# Altium PCB LimeSDR-Micro_mPCIe_1v3.PcbDoc (part 7 of 9)
Units mm, origin at the board's own origin, x right, y up, seen from the top; angles counter-clockwise.
Board outline 50.8 x 29.7 mm, 8 copper layers (Top, L2, L3, L4, L5, L6, L7, Bottom), stack 0.925 mm thick; 666 components, 390 nets, 2363 pads, 827 vias.
Unrouted connection lines stored in the file: 28.
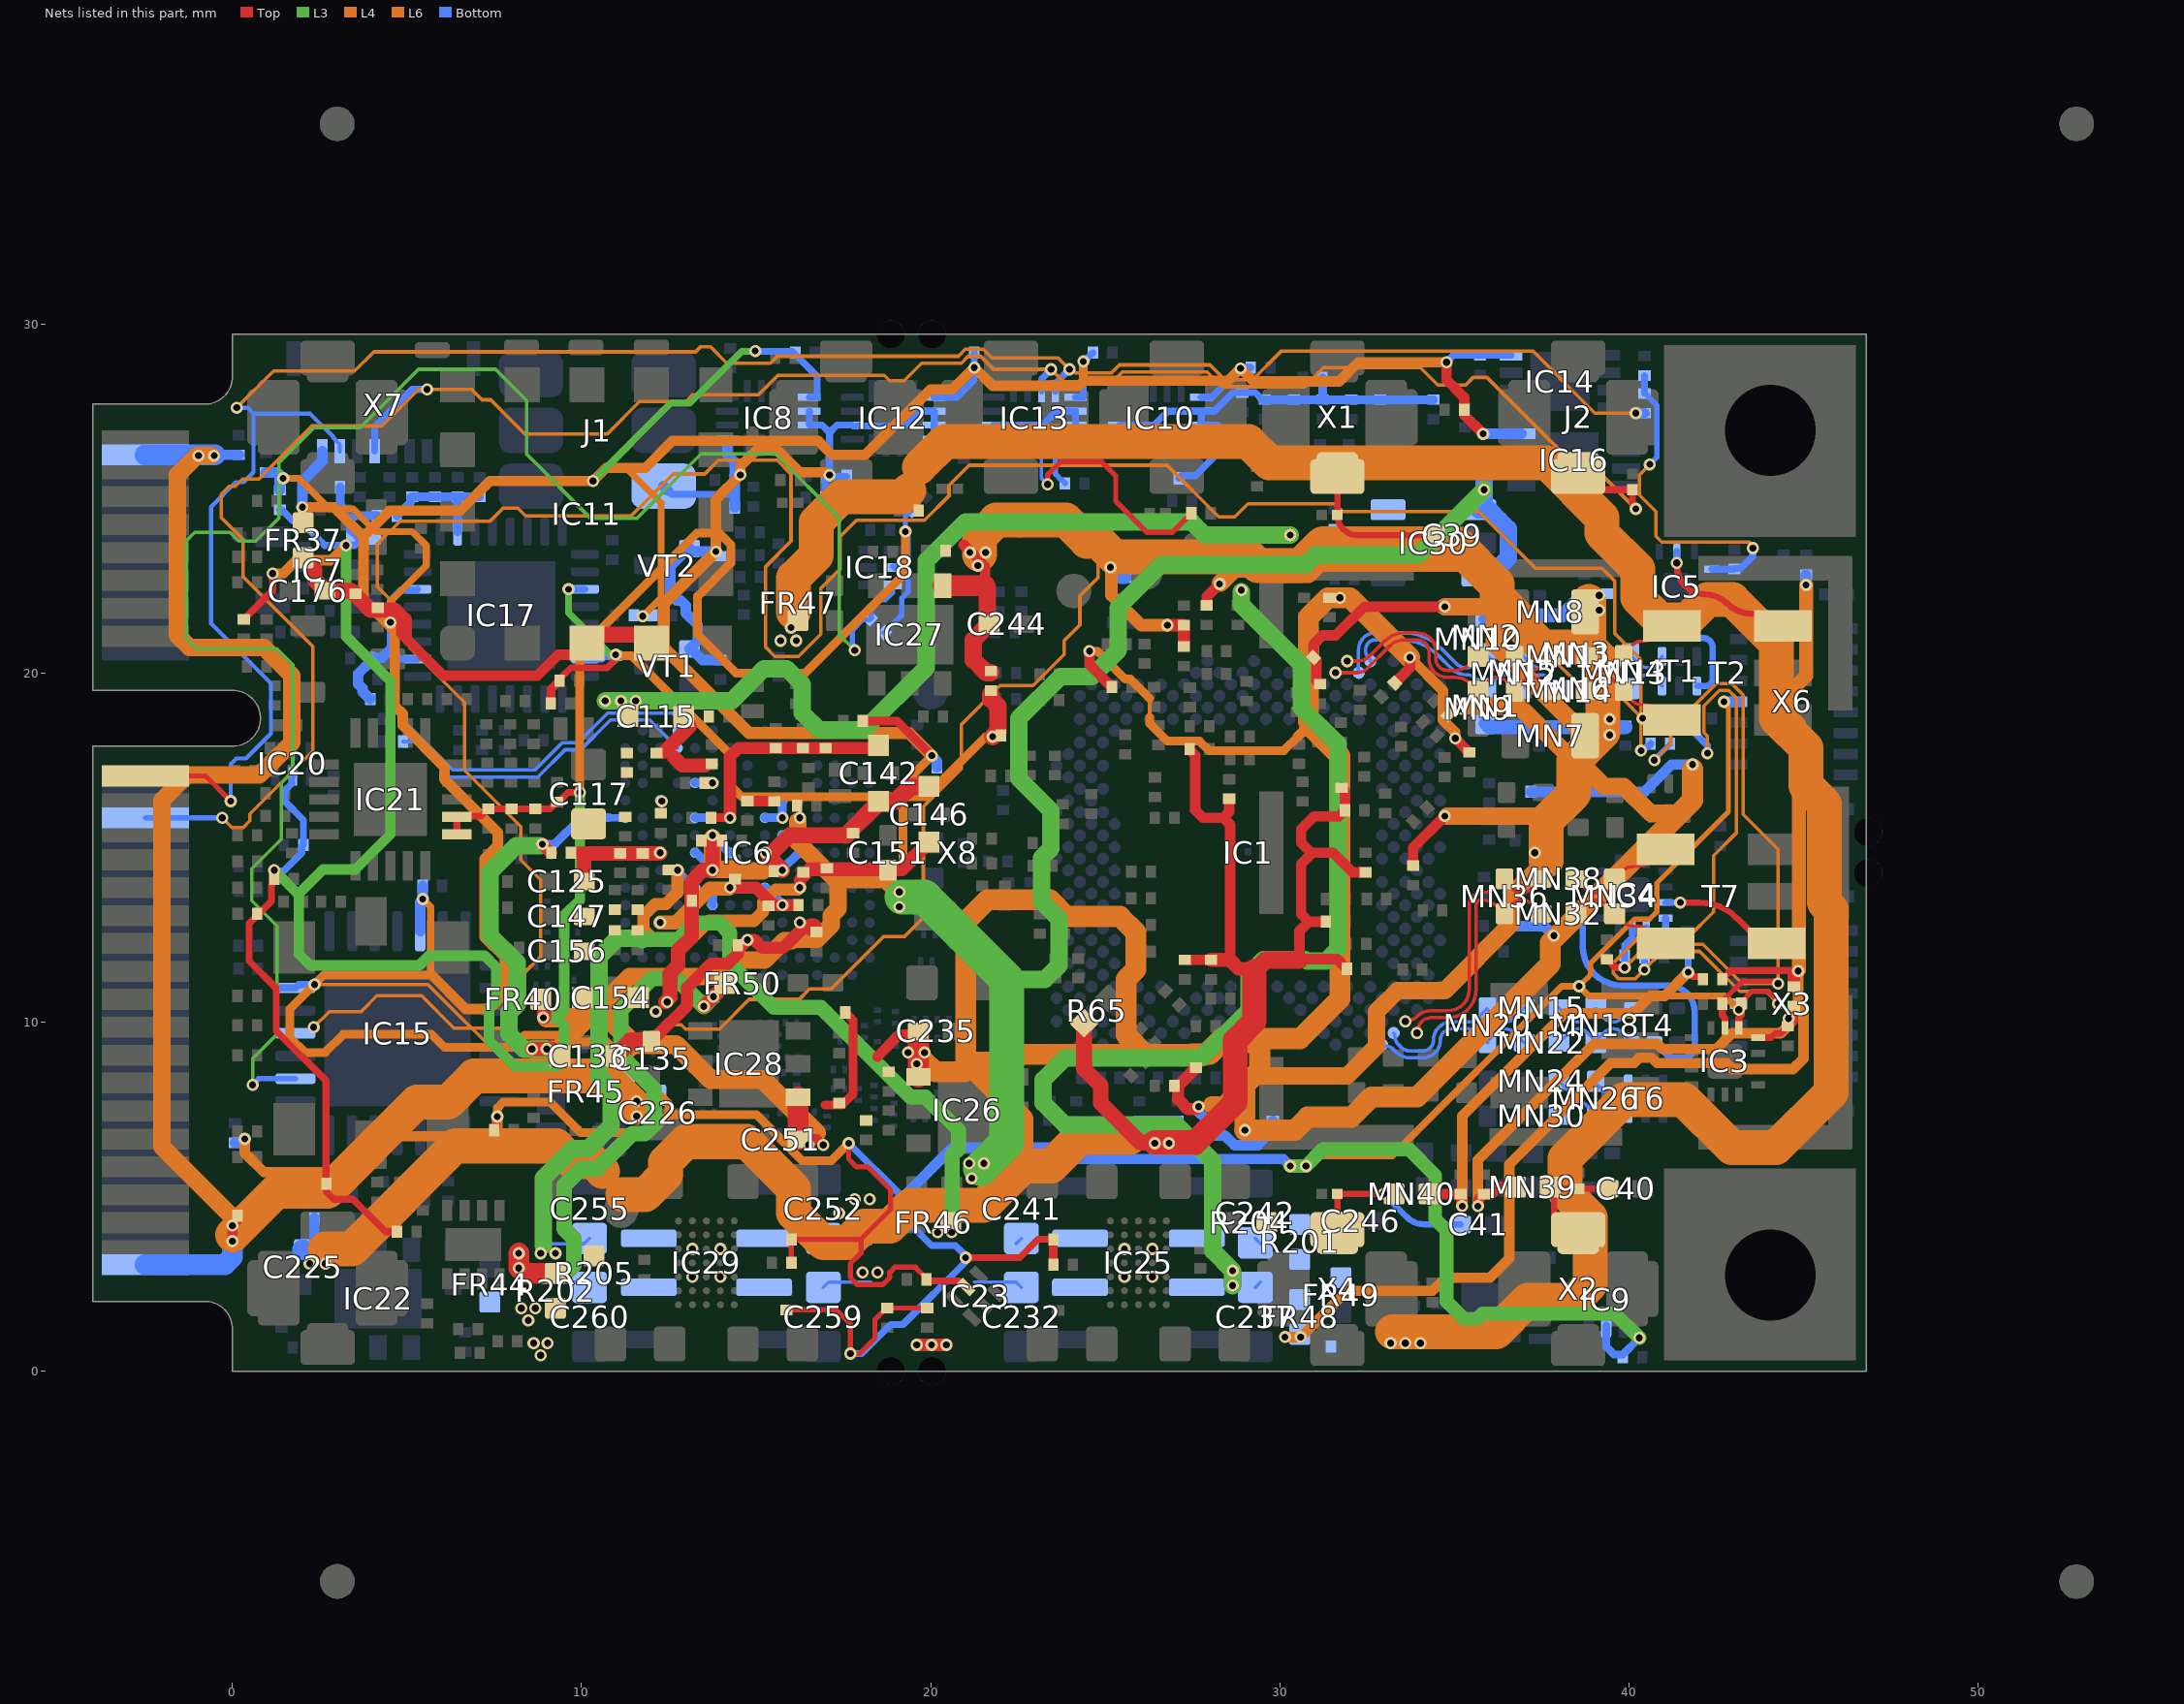
[diagram p13: the nets of this part, all layers, seen from the top]

## Via types
v1: diameter 0.35, hole 0.2, Top to Bottom, tented both sides, 668 vias
v2: diameter 0.35, hole 0.2, L5 to Bottom, tented both sides, 117 vias
v3: diameter 0.4, hole 0.2, Top to Bottom, tented both sides, 30 vias
v4: diameter 0.5, hole 0.2, Top to Bottom, tented both sides, 12 vias

## Nets (pads, with @x,y where several pads share a name; then routed paths per layer and width w, separated by ;. In a path a pad name is that pad's centre, name@x,y a point inside that pad or via, vN(x,y) a via of type N, cw(c..) or ccw(c..) an arc to the next point about the centre after c; other vN are vias at no path point) (continued)
RX2_H_B_N: MN26.1 MN30.1 T6.3 | length 2.7
  Bottom w0.1: MN30.1@38.002,7.305 38.296,7.598 cw(c38.553,7.34) 38.553,7.705 ; 38.551,7.705 cw(c38.551,7.34) 38.809,7.598 MN26.1@39.052,7.355 ; MN26.1@39.027,7.33 MN26.1@39.052,7.355 ; MN26.1@39.077,7.33 MN26.1@39.052,7.355 ; T6.3@39.983,7.38 cw(c40.103,7.5) 39.933,7.5 ccw(c39.728,7.5) 39.728,7.705 39.553,7.705 ccw(c39.553,7.34) 39.296,7.598 MN26.1@39.052,7.355
RX2_H_B_P: MN24.1 MN26.2 T6.4 | length 2.7
  Bottom w0.1: MN24.1@38.002,8.305 38.296,8.011 ccw(c38.553,8.269) 38.553,7.905 ; 38.551,7.905 ccw(c38.551,8.269) 38.809,8.011 MN26.2@39.077,8.28 ; MN26.2@39.027,8.28 39.296,8.011 ccw(c39.553,8.269) 39.553,7.905 39.728,7.905 ccw(c39.728,8.109) 39.933,8.109 cw(c40.103,8.109) T6.4@39.983,8.23
RX2_L: IC4.9 T4.2 | length 8.4
  Bottom w0.18: IC4.9@39.148,13.425 39,13.425 ccw(c39,13.1) 38.778,13.337 ccw(c39,13.1) 38.675,13.1 38.675,12.175 ccw(c39.8,12.175) 39.8,11.05 41.129,11.05 cw(c41.129,10.295) 41.885,10.295 41.885,9.28 cw(c41.585,9.28) 41.585,8.98 41.31,8.98 cw(c41.31,9.317) 41.071,9.079 T4.2@40.735,9.415
RX2_L_A_N: IC1.AP6 MN20.1 MN22.2 | length 5.1
  Bottom w0.1: IC1.AP6@32.93,9.351 ccw(c33.012,9.433) 33.012,9.317 cw(c33.012,8.971) 33.256,9.216 ; 33.257,9.216 33.336,9.136 ccw(c33.724,9.524) 33.724,8.975 34.1,8.975 ccw(c34.1,9.475) 34.6,9.475 cw(c34.93,9.475) 34.93,9.805 35.401,9.805 cw(c35.401,9.44) 35.659,9.698 MN20.1@35.927,9.43 ; MN20.1@35.952,9.405 MN20.1@35.927,9.43 ; MN22.2@37.002,9.405 36.709,9.698 ccw(c36.451,9.44) 36.452,9.805 ccw(c36.453,9.44) 36.196,9.698 MN20.1@35.927,9.43
RX2_L_A_P: IC1.AN5 MN15.2 MN20.2 | length 4.9
  Bottom w0.1: IC1.AN5@33.263,9.684 cw(c33.18,9.602) 33.297,9.602 ccw(c33.643,9.602) 33.398,9.357 33.477,9.277 ccw(c33.725,9.525) 33.725,9.175 34.1,9.175 ccw(c34.1,9.475) 34.4,9.475 cw(c34.93,9.475) 34.93,10.005 35.401,10.005 ccw(c35.401,10.369) 35.659,10.111 35.927,10.38 36.196,10.111 ccw(c36.453,10.369) 36.452,10.005 ccw(c36.451,10.369) 36.709,10.111 MN15.2@37.002,10.405
RX2_L_B_N: MN18.1 MN22.1 T4.3 | length 2.7
  Bottom w0.1: MN22.1@38.002,9.405 38.296,9.698 cw(c38.553,9.44) 38.552,9.805 cw(c38.552,9.44) 38.809,9.698 MN18.1@39.052,9.455 ; MN18.1@39.027,9.43 MN18.1@39.052,9.455 ; MN18.1@39.077,9.43 MN18.1@39.052,9.455 ; T4.3@40.085,9.415 39.794,9.705 ccw(c39.553,9.464) 39.553,9.805 ccw(c39.553,9.44) 39.296,9.698 MN18.1@39.052,9.455
RX2_L_B_P: MN15.1 MN18.2 T4.4 | length 2.7
  Bottom w0.1: MN15.1@38.002,10.405 38.296,10.111 ccw(c38.553,10.369) 38.552,10.005 ccw(c38.552,10.369) 38.809,10.111 MN18.2@39.052,10.354 ; MN18.2@39.027,10.38 MN18.2@39.052,10.354 ; MN18.2@39.077,10.38 MN18.2@39.052,10.354 ; T4.4@40.085,10.395 39.794,10.104 cw(c39.553,10.345) 39.553,10.005 cw(c39.553,10.369) 39.296,10.111 MN18.2@39.052,10.354
RX2_W: IC4.3 T7.3 | length 3.5
  Top w0.18: v1(41.475,13.425) 42.014,13.425 cw(c42.014,11.889) 43.1,12.975 43.553,12.522 ccw(c44.197,13.165) T7.3@44.197,12.255
  Bottom w0.18: IC4.3@41.053,13.425 v1(41.475,13.425)
RX2_W_A_N: IC1.AM4 MN36.1 MN38.2 | length 7.4
  Top w0.1: v1(33.596,10.017) cw(c33.678,9.935) 33.678,10.051 ccw(c33.678,10.397) 33.923,10.152 ; 33.923,10.153 cw(c34.338,9.738) 34.338,10.325 34.819,10.325 ccw(c34.819,10.931) 35.425,10.931 35.425,13.35 cw(c35.775,13.35) 35.775,13.7 ccw(c35.775,14.335) 36.224,13.886 MN36.1@36.413,14.075 ; MN36.1@36.438,14.1 MN36.1@36.413,14.075 ; MN38.2@37.488,14.1 37.195,13.807 cw(c36.937,14.065) 36.938,13.7 cw(c36.939,14.065) 36.681,13.807 MN36.1@36.413,14.075
RX2_W_A_P: IC1.AN3 MN32.2 MN36.2 | length 7.2
  Top w0.1: v1(33.929,9.684) ccw(c33.846,9.766) 33.963,9.766 cw(c34.309,9.766) 34.064,10.011 cw(c34.339,9.736) 34.339,10.125 34.819,10.125 ccw(c34.819,10.931) 35.625,10.931 35.625,13.35 cw(c35.775,13.35) 35.775,13.5 cw(c35.775,12.865) 36.224,13.314 MN36.2@36.413,13.125 ; MN36.2@36.438,13.1 MN36.2@36.413,13.125 ; MN32.2@37.488,13.1 37.195,13.393 ccw(c36.937,13.135) 36.938,13.5 ccw(c36.939,13.135) 36.681,13.393 MN36.2@36.413,13.125
RX2_W_B_N: MN34.1 MN38.1 T7.6 | length 3.1
  Top w0.1: MN38.1@38.488,14.1 38.781,13.807 ccw(c39.039,14.065) 39.039,13.7 ; 39.037,13.7 ccw(c39.037,14.065) 39.295,13.807 MN34.1@39.563,14.075 ; MN34.1@39.588,14.1 39.806,14.318 cw(c40.125,13.998) 40.125,14.45 ccw(c40.125,15.483) 40.856,14.753 T7.6@41.048,14.945
RX2_W_B_P: MN32.1 MN34.2 T7.4 | length 2.8
  Top w0.1: MN32.1@38.488,13.1 38.781,13.393 cw(c39.039,13.135) 39.039,13.5 ; 39.037,13.5 cw(c39.037,13.135) 39.295,13.393 MN34.2@39.563,13.125 ; MN34.2@39.806,12.882 ccw(c40.125,13.202) 40.125,12.75 cw(c40.125,11.717) 40.856,12.447 T7.4@41.048,12.255
RX_SW2: IC15.25 R60.2 | length 76.3
  L4 w0.1: v1(2.325,9.85) 2.775,10.3 3.683,10.3 4.133,10.75 5.417,10.75 6.342,9.825 7.675,9.825 8.35,10.5 8.35,11.4 8.825,11.875 8.825,14.075 8.262,14.638 8.262,15.595 6.65,17.208 6.65,19.15 5.075,20.725 5.075,21.55 4.15,22.475 4.15,23.7 4.8,24.35 7.375,24.35 7.75,24.725 8.175,24.725 8.4,24.5 11.417,24.5 12.617,25.7 13.525,25.7 13.925,26.1 15.6,26.1 16,25.7 16,23.775 15.275,23.05 15.275,20.738 15.538,20.475 16.212,20.475 16.85,21.113 16.85,22.425 17.4,22.975 17.4,23.9 17.875,24.375 19.825,24.375 20.525,25.075 20.525,25.375 21.1,25.95 26.775,25.95 28.25,24.475 28.71,24.475 29.085,24.85 31.575,24.85 31.8,24.625 35.7,24.625 37.325,23 39.225,23 39.6,22.625 39.6,21.125 40.35,20.375 v1(40.35,17.775)
  Bottom w0.2: v1(40.35,17.775) 40.391,17.775 40.516,17.9 40.57,17.9 40.62,17.95 R60.2@40.62,17.975
RX_SW2_DIV: C44.1 C46.1 IC3.6 IC4.6 R60.1 R64.1 | length 22.7
  Top w0.15: C44.1@42.68,10.525 42.73,10.575 42.73,10.643 43.262,11.175 v1@44.2,11.175
  Top w0.2: R64.1@39.375,11.795 39.4,11.795 39.45,11.745 39.45,11.72 39.608,11.562 39.877,11.562 v1(39.879,11.56) ; C44.1@42.68,10.525 42.68,10.195 42.75,10.125 IC3.6@42.75,9.827
  L4 w0.1: v1(39.879,11.56) 40.543,12.225 42.125,12.225 43.25,11.1 v1(44.275,11.1) 44.275,14.95 43.275,15.95 43.275,19.367 42.942,19.7 42.508,19.7 41.2,18.392 41.2,17.97 v1(40.73,17.5)
  Bottom w0.15: v1(40.73,17.5) 40.73,17.525 40.743,17.525 41.18,17.963 R60.1@41.18,17.975
  Bottom w0.2: v1(39.879,11.56) C46.1@39.879,11.91 39.879,12.204 40.1,12.425 IC4.6@40.1,12.697
RX_SW3: IC15.27 R61.2 | length 53
  L6 w0.1: v2(2.35,11.075) 5.6,11.075 8.2,8.475 10.9,8.475 12.35,9.925 12.85,9.925 12.975,9.8 13.95,9.8 14.8,10.65 16.234,10.65 16.534,10.95 17.15,10.95 18.65,12.45 19.25,12.45 19.79,12.99 19.79,16.165 20.875,17.25 20.875,18.525 21.987,19.637 22.938,19.637 23.825,20.525 23.825,20.925 24.275,21.375 24.275,22.209 24.8,22.734 24.8,23.135 25.315,23.65 29.4,23.65 29.825,23.225 30.65,23.225 31.075,23.65 35.4,23.65 37.35,21.7 37.35,20.875 38.975,19.25 39.84,19.25 v2(40.39,18.7)
  Bottom w0.2: IC15.27@1.325,10.975 IC15.27@1.8,10.975 1.9,11.075 v2(2.35,11.075)
RX_SW3_DIV: C45.1 C47.1 IC3.5 IC4.5 R61.1 R63.1 | length 23.7
  Top w0.15: C45.1@43.22,10.573 43.522,10.875 44.002,10.875 44.275,10.602 v1@44.275,10.55
  Top w0.2: IC3.5@43.15,9.827 43.15,10.125 43.22,10.195 C45.1@43.22,10.525 C45.1@43.22,10.573
  L4 w0.1: v1(42.25,17.7) 42.25,18.19 42.15,18.29 42.15,19.06 42.59,19.5 42.86,19.5 43.075,19.285 43.075,15.413 42.429,14.766 42.429,13.154 41.7,12.425 40.284,12.425 39.55,11.691 39.55,11.4 39.715,11.235 40.18,11.235 v1(40.445,11.5) 40.97,12.025 42.025,12.025 43.175,10.875 43.925,10.875 v1(44.275,10.525)
  Bottom w0.2: v1(40.445,11.5) C47.1@40.445,11.85 40.5,11.905 IC4.5@40.5,12.697 ; R61.1@41.175,18.7 R63.1@41.815,18.7 41.815,18.36 42.25,17.925 v1(42.25,17.7)
RXA: C40.1 ESD2.1 MN39.1 X2.1 | length 3.9
  Top w0.18: MN39.1@37.75,5.225 MN39.1@37.8,5.225 ; MN39.1@37.75,5.275 MN39.1@37.8,5.225 ; X2.1@38.25,4.35 X2.1@38.55,4.05 ; X2.1@38.55,3.95 38.25,3.95 37.865,4.335 37.865,5.16 MN39.1@37.8,5.225 ; C40.1@39.35,5.075 39.2,5.225 MN39.1@37.8,5.225
RXB: C41.1 ESD3.1 MN40.1 X4.1 | length 5.2
  Top w0.18: X4.1@31.65,4.05 ESD3.1@31.65,5.075 v1(32.975,5.075) MN40.1@33.275,5.075
  Bottom w0.18: v1(32.975,5.075) 33.637,4.413 ccw(c34.152,4.929) 34.152,4.2 C41.1@35.177,4.2
SMB_CLK_CTRL: IC15.23 IC18.6 R155.1 | length 53.2
  L3 w0.1: v1(0.575,8.2) 0.575,8.95 1.275,9.65 1.275,12.75 0.55,13.475 0.55,14.392 1.4,15.242 1.4,16.85 1.725,17.175 1.725,20.233 1.258,20.7 -1.042,20.7 -1.325,20.983 -1.325,23.785 -1.085,24.025 -0.075,24.025 0.175,23.775 0.667,23.775 1.329,24.437 1.329,26.012 2.342,27.025 3.658,27.025 5.333,28.7 7.534,28.7 8.425,27.809 8.425,26.267 10.267,24.425 11.575,24.425 13.425,26.275 15.55,26.275 17.375,24.45 17.375,21.1 v1(17.825,20.65)
  Bottom w0.15: v1(0.575,8.2) 0.75,8.375 IC15.23@1.8,8.375 ; v1@17.75,20.65 17.787,20.687 17.787,20.742 17.75,20.779 17.75,21.22 18.06,21.53 18.259,21.53 R155.1@18.277,21.548 18.295,21.566 18.295,21.672 18.285,21.681 18.285,21.805 18.58,22.1 18.704,22.1 18.912,22.308 IC18.6@18.912,22.525 IC18.6@18.912,22.55
T0_N: C114.2 IC6.R4 | length 9.6
  Bottom w0.1: C114.2@4.865,18.668 6.314,17.219 8.662,17.219 9.444,18 9.892,18 10.742,18.85 12.6,18.85 12.751,18.699 IC6.R4@12.751,18.35
T0_P: C112.2 IC6.P4 | length 9.3
  Bottom w0.1: C112.2@4.885,18.037 5.213,18.037 6.231,17.019 8.745,17.019 9.526,17.8 9.975,17.8 10.825,18.65 11.951,18.65 IC6.P4@12.751,17.85
TDD0_GPIO: IC13.12 R59.2 X7.2 X8.17 | length 63.3
  Top w0.14: X8.17@-2.5,17.25 -2.3,17.05 -0.77,17.05 v1(-0.05,16.33)
  L4 w0.1: v1(0.125,27.6) 1.175,28.65 3.5,28.65 4.05,29.2 13.265,29.2 13.415,29.35 13.685,29.35 14.16,28.875 15.409,28.875 15.609,29.075 17.925,29.075 20.792,29.075 20.992,29.275 21.508,29.275 21.758,29.025 23.65,29.025 v1(23.975,28.7)
  L6 w0.1: v1(23.975,28.7) 24.043,28.7 24.143,28.6 25.185,28.6 25.41,28.825 28,28.825 28.425,28.4 29.225,28.4 30.05,29.225 37.25,29.225 39.03,27.445 v2(40.2,27.445)
  Bottom w0.12: v1(-0.05,16.33) -0.05,17.388 0.112,17.55 0.385,17.55 1.1,18.265 1.1,19.7 -0.61,21.41 -0.61,24.765 0.09,25.465 0.315,25.465 0.6,25.75 0.6,27.425 ; v1(0.125,27.6) 0.425,27.6 0.6,27.425 ; X7.2@3.075,26.35 3.075,26.55 2.885,26.74 2.885,26.766 2.226,27.425 0.6,27.425
  Bottom w0.2: IC13.12@23.575,28.075 23.575,28.3 23.6,28.325 23.605,28.325 v1@23.978,28.697
  Bottom w0.3: v2(40.2,27.445) R59.2@40.45,27.445
TDD0_GPIO_LS: IC13.1 R120.2 | length 1.3
  Bottom w0.15: IC13.1@23.575,26.575 23.575,25.695 23.745,25.525 23.77,25.525 23.845,25.45 R120.2@23.845,25.425
TDD1_GPIO: ESD5.1 IC13.11 J2.1 X7.4 X8.20 | length 66
  Top w0.18: J2.1@38.55,25.725 J2.1@38.64,25.635
  Top w0.2: J2.1@38.825,25.635 38.825,25.528 39.103,25.25 ESD5.1@40.1,25.25 40.1,24.841 40.171,24.769 40.171,24.712 v1@40.159,24.7
  L4 w0.1: v1(-0.293,15.85) -0.018,15.575 0.31,15.575 0.5,15.765 0.5,15.958 2.304,17.762 2.304,20.756 0.3,22.76 0.3,23.825 -0.325,24.45 -0.325,25.125 -0.1,25.35 0.085,25.35 0.285,25.55 0.75,25.55 2.275,27.075 4.275,27.075 5.325,28.125 v1(5.575,28.125) 6.85,28.125 7.15,27.825 7.4,27.825 8.375,26.85 10.735,26.85 11.66,27.775 12.992,27.775 13.192,27.975 15.075,27.975 15.625,28.525 18.675,28.525 18.825,28.375 19.24,28.375 19.74,28.875 20.875,28.875 21.075,29.075 21.425,29.075 21.8,28.7 v1(23.45,28.7)
  L6 w0.1: v1(23.45,28.7) 23.8,28.35 25.217,28.35 25.492,28.625 27.917,28.625 28.342,28.2 30.7,28.2 31.25,28.75 34.025,28.75 34.525,28.25 35.325,28.25 35.55,28.475 35.925,28.475 38.35,26.05 38.85,26.05 v1(40.2,24.7)
  Bottom w0.14: X8.20@-2.5,15.85 v1(-0.293,15.85)
  Bottom w0.2: X7.4@4.075,26.35 4.075,27.05 5.15,28.125 v1(5.575,28.125) ; IC13.11@23.175,28.075 23.175,28.425 v1(23.45,28.7)
TDD1_GPIO_LS: IC13.2 R121.2 | length 7.2
  Top w0.15: v1(23.35,25.4) 23.35,25.675 23.725,26.05 24.9,26.05 25.3,25.65 25.3,24.925 26.2,24.025 26.915,24.025 R121.2@27.465,24.575
  Bottom w0.1: IC13.2@23.175,26.525 23.175,25.575 v1(23.35,25.4)
TX1_1: IC5.11 T1.1 | length 3
  Bottom w0.18: IC5.11@41.375,21.475 41.375,21.275 ccw(c41.65,21.275) 41.65,21 42.125,21 cw(c42.125,20.725) 42.4,20.725 42.4,19.837 cw(c42.188,19.837) 42.188,19.625 T1.1@41.951,19.625
TX1_1_A_N: IC1.A7 MN1.1 MN5.1 MN6.2 | length 7.2
  Bottom w0.1: IC1.A7@32.597,20.34 ccw(c32.494,20.34) 32.566,20.413 32.546,20.433 cw(c32.766,20.652) 32.456,20.652 cw(c32.766,20.652) 32.546,20.871 cw(c32.736,20.681) 32.736,20.95 33.448,20.95 cw(c33.448,19.395) 34.548,20.494 34.912,20.13 ccw(c35.347,20.565) 35.347,19.95 35.349,19.95 cw(c35.349,19.585) 35.607,19.843 MN1.1@35.9,19.55 36.193,19.843 cw(c36.451,19.585) 36.45,19.95 cw(c36.449,19.585) 36.707,19.843 MN5.1@36.95,19.6 ; MN5.1@36.925,19.575 MN5.1@36.95,19.6 ; MN5.1@36.975,19.575 MN5.1@36.95,19.6 ; MN6.2@38,19.55 37.707,19.843 ccw(c37.449,19.585) 37.45,19.95 ccw(c37.451,19.585) 37.193,19.843 MN5.1@36.95,19.6
TX1_1_A_P: IC1.B8 MN2.1 MN3.1 MN5.2 | length 7.8
  Bottom w0.1: IC1.B8@32.264,20.007 32.256,20.015 32.256,20.653 cw(c32.763,20.653) 32.404,21.012 32.405,21.013 cw(c32.735,20.683) 32.735,21.15 33.531,21.15 cw(c33.531,19.595) 34.631,20.694 35.052,20.273 ccw(c35.349,20.57) 35.349,20.15 ccw(c35.349,20.515) 35.607,20.257 MN2.1@35.875,20.525 ; MN2.1@35.9,20.55 36.193,20.257 ccw(c36.451,20.515) 36.45,20.15 ccw(c36.449,20.515) 36.707,20.257 MN5.2@36.95,20.5 ; MN5.2@36.925,20.525 MN5.2@36.95,20.5 ; MN5.2@36.975,20.525 MN5.2@36.95,20.5 ; MN3.1@38,20.55 37.707,20.257 cw(c37.449,20.515) 37.45,20.15 cw(c37.451,20.515) 37.193,20.257 MN5.2@36.95,20.5
TX1_1_B_N: MN4.2 MN6.1 T1.3 | length 2.6
  Bottom w0.1: MN6.1@39,19.55 39.293,19.843 cw(c39.551,19.585) 39.55,19.95 cw(c39.549,19.585) 39.807,19.843 MN4.2@40.05,19.6 ; MN4.2@40.025,19.575 MN4.2@40.05,19.6 ; MN4.2@40.075,19.575 MN4.2@40.05,19.6 ; T1.3@40.951,19.625 cw(c41.072,19.746) 40.901,19.746 ccw(c40.697,19.746) 40.697,19.95 40.551,19.95 ccw(c40.551,19.585) 40.293,19.843 MN4.2@40.05,19.6
TX1_1_B_P: MN3.2 MN4.1 T1.4 | length 2.6
  Bottom w0.1: MN3.2@39,20.55 39.293,20.257 ccw(c39.551,20.515) 39.55,20.15 ccw(c39.549,20.515) 39.807,20.257 MN4.1@40.05,20.5 ; MN4.1@40.025,20.525 MN4.1@40.05,20.5 ; MN4.1@40.075,20.525 MN4.1@40.05,20.5 ; T1.4@40.951,20.475 ccw(c41.072,20.354) 40.901,20.354 cw(c40.697,20.354) 40.697,20.15 40.551,20.15 cw(c40.551,20.515) 40.293,20.257 MN4.1@40.05,20.5
TX1_2: IC5.5 T2.1 | length 3.4
  Top w0.18: v1(41.375,23.15) 41.375,23.071 ccw(c42.196,23.071) 42.196,22.25 cw(c42.196,21.396) 42.8,22 ccw(c43.524,22.724) 43.524,21.7 T2.1@43.675,21.7 ; T2.1@44.346,21.414 T2.1@44.415,21.345
  Bottom w0.2: v1(41.375,23.15) IC5.5@41.375,23.475
TX1_2_A_N: IC1.B10 MN9.1 MN12.2 MN14.1 | length 8
  Top w0.1: v1(31.597,20.007) 32.218,20.007 ccw(c32.218,20.402) 32.498,20.123 33.148,20.773 cw(c33.575,20.346) 33.575,20.95 33.925,20.95 cw(c33.925,20.6) 34.275,20.6 34.275,20.4 ccw(c34.8,20.4) 34.8,19.875 35.012,19.875 cw(c35.012,19.24) 35.461,19.689 MN9.1@35.675,19.475 35.968,19.768 cw(c36.226,19.51) 36.225,19.875 cw(c36.224,19.51) 36.482,19.768 36.725,19.525 MN12.2@36.7,19.5 ; MN12.2@36.7,19.5 36.968,19.768 cw(c37.226,19.51) 37.225,19.875 cw(c37.224,19.51) 37.482,19.768 MN14.1@37.775,19.475
TX1_2_A_P: IC1.A9 MN10.1 MN11.2 MN12.1 | length 7.7
  Top w0.1: v1(31.931,20.34) 32.217,20.34 ccw(c32.217,20.86) 32.584,20.492 ; 32.631,20.539 32.585,20.492 ; MN11.2@37.775,20.475 37.482,20.182 cw(c37.224,20.44) 37.225,20.075 cw(c37.226,20.44) 36.968,20.182 36.7,20.45 36.725,20.425 36.482,20.182 cw(c36.224,20.44) 36.225,20.075 cw(c36.226,20.44) 35.968,20.182 MN10.1@35.675,20.475 35.461,20.261 cw(c35.012,20.71) 35.012,20.075 34.8,20.075 cw(c34.8,20.4) 34.475,20.4 34.475,20.6 ccw(c33.925,20.6) 33.925,21.15 33.574,21.15 ccw(c33.574,20.348) 33.007,20.915 32.584,20.492
TX1_2_B_N: MN13.1 MN14.2 T2.4 | length 3.1
  Top w0.1: MN14.2@38.775,19.475 39.068,19.768 cw(c39.326,19.51) 39.326,19.875 ; 39.324,19.875 cw(c39.324,19.51) 39.582,19.768 MN13.1@39.85,19.5 ccw(c39.971,19.5) 39.885,19.415 40.112,19.188 ccw(c40.325,19.402) 40.325,19.1 cw(c40.325,17.977) 41.119,18.771 T2.4@41.235,18.655
TX1_2_B_P: MN11.1 MN13.2 T2.6 | length 3.1
  Top w0.1: MN11.1@38.775,20.475 39.068,20.182 ccw(c39.326,20.44) 39.326,20.075 ; 39.324,20.075 ccw(c39.324,20.44) 39.582,20.182 MN13.2@39.85,20.45 ; MN13.2@39.85,20.5 cw(c39.971,20.5) 39.885,20.585 40.112,20.812 cw(c40.325,20.598) 40.325,20.9 ccw(c40.325,22.023) 41.119,21.229 T2.6@41.235,21.345
TX_SW_DIV: C42.1 IC5.7 R59.1 R62.1 | length 9.6
  L6 w0.1: v1(40.6,25.975) 40.3,25.675 40.3,25.1 40.775,24.625 40.775,23.913 40.938,23.75 43.45,23.75 v2@43.55,23.65
  Bottom w0.15: R59.1@40.45,28.005 40.475,28.005 40.55,27.93 40.55,27.917 40.8,27.667 40.8,26.175 v1(40.6,25.975)
  Bottom w0.2: R59.1@40.45,28.005 R62.1@40.45,28.52 ; IC5.7@42.375,22.975 C42.1@43.02,22.975 43.034,22.989 43.189,22.989 43.55,23.35 v2(43.55,23.575)
TXA: C39.1 ESD1.1 X1.1 | length 4.3
  Top w0.18: X1.1@31.65,25.725 X1.1@31.65,25.625 ESD1.1@31.65,24.525 ccw(c32.225,24.525) 32.225,23.95 C39.1@34.425,23.95
VCC0P9: C137.2 C138.2 C139.2 C140.2 C141.2 C142.1 C146.1 C154.1 C232.2 IC6.G6 IC6.G10 IC6.H5 IC6.H7 IC6.H9 IC6.H11 IC6.J6 IC6.J10 IC25.C4 L2.2 | length 19.1
  Top w0.3: v1(20.45,0.75) v1@20.475,0.75
  Top w0.35: v1(19.6,0.75) v1(20.025,0.75) v1(20.45,0.75)
  Top w0.42: v1@12.4,10.575 12.533,10.708 12.533,11.398 12.766,11.631 12.766,12.051 13.15,12.435 13.15,14.025 13.475,14.35 v1(13.751,14.35) 13.751,15.1
  Top w0.45: v1(15.751,14.35) 15.375,14.726 15.375,14.767 15.958,15.35 17.575,15.35
  Top w0.5: 17.575,15.35 18.5,16.275 C142.1@18.5,16.325 19,16.325 19.425,16.75 C146.1@19.95,16.75
  L6 w0.5: v1@13.75,14.375 v1@13.75,15.275 ; v1@13.8,14.375 14.475,14.375 14.525,14.325 15.2,14.325 15.45,14.575
  Bottom w0.1: 21.25,2.55 22.45,2.55 C232.2@22.6,2.4
  Bottom w0.25: IC6.H5@13.251,14.85 13.264,14.85 13.289,14.825 13.306,14.825 13.726,14.405 13.726,14.389 13.751,14.364 v1(13.751,14.35) ; v1(13.751,15.35) 13.751,15.336 13.776,15.311 13.776,15.295 14.196,14.875 14.212,14.875 14.237,14.85 IC6.H7@14.251,14.85 ; IC6.H9@15.251,14.85 v1(15.264,14.85) 15.289,14.875 15.342,14.875 15.751,15.284 IC6.J10@15.751,15.35 ; v1(15.751,14.35) 15.751,14.364 15.776,14.389 15.776,14.405 16.196,14.825 16.212,14.825 16.237,14.85 IC6.H11@16.251,14.85
  other v1: 25.55,2.7 12.125,10.3 12.45,10.575
VCC0P9_AFE_CVDD: C146.3 C150.2 C151.2 C152.2 C153.2 IC6.F5 IC6.F11 | length 12.7
  Top w0.35: v1(16.251,13.85) 16.251,14.076 16.4,14.225 16.55,14.375